# KiCad board mtk64_R_rev2.kicad_pcb (continued)
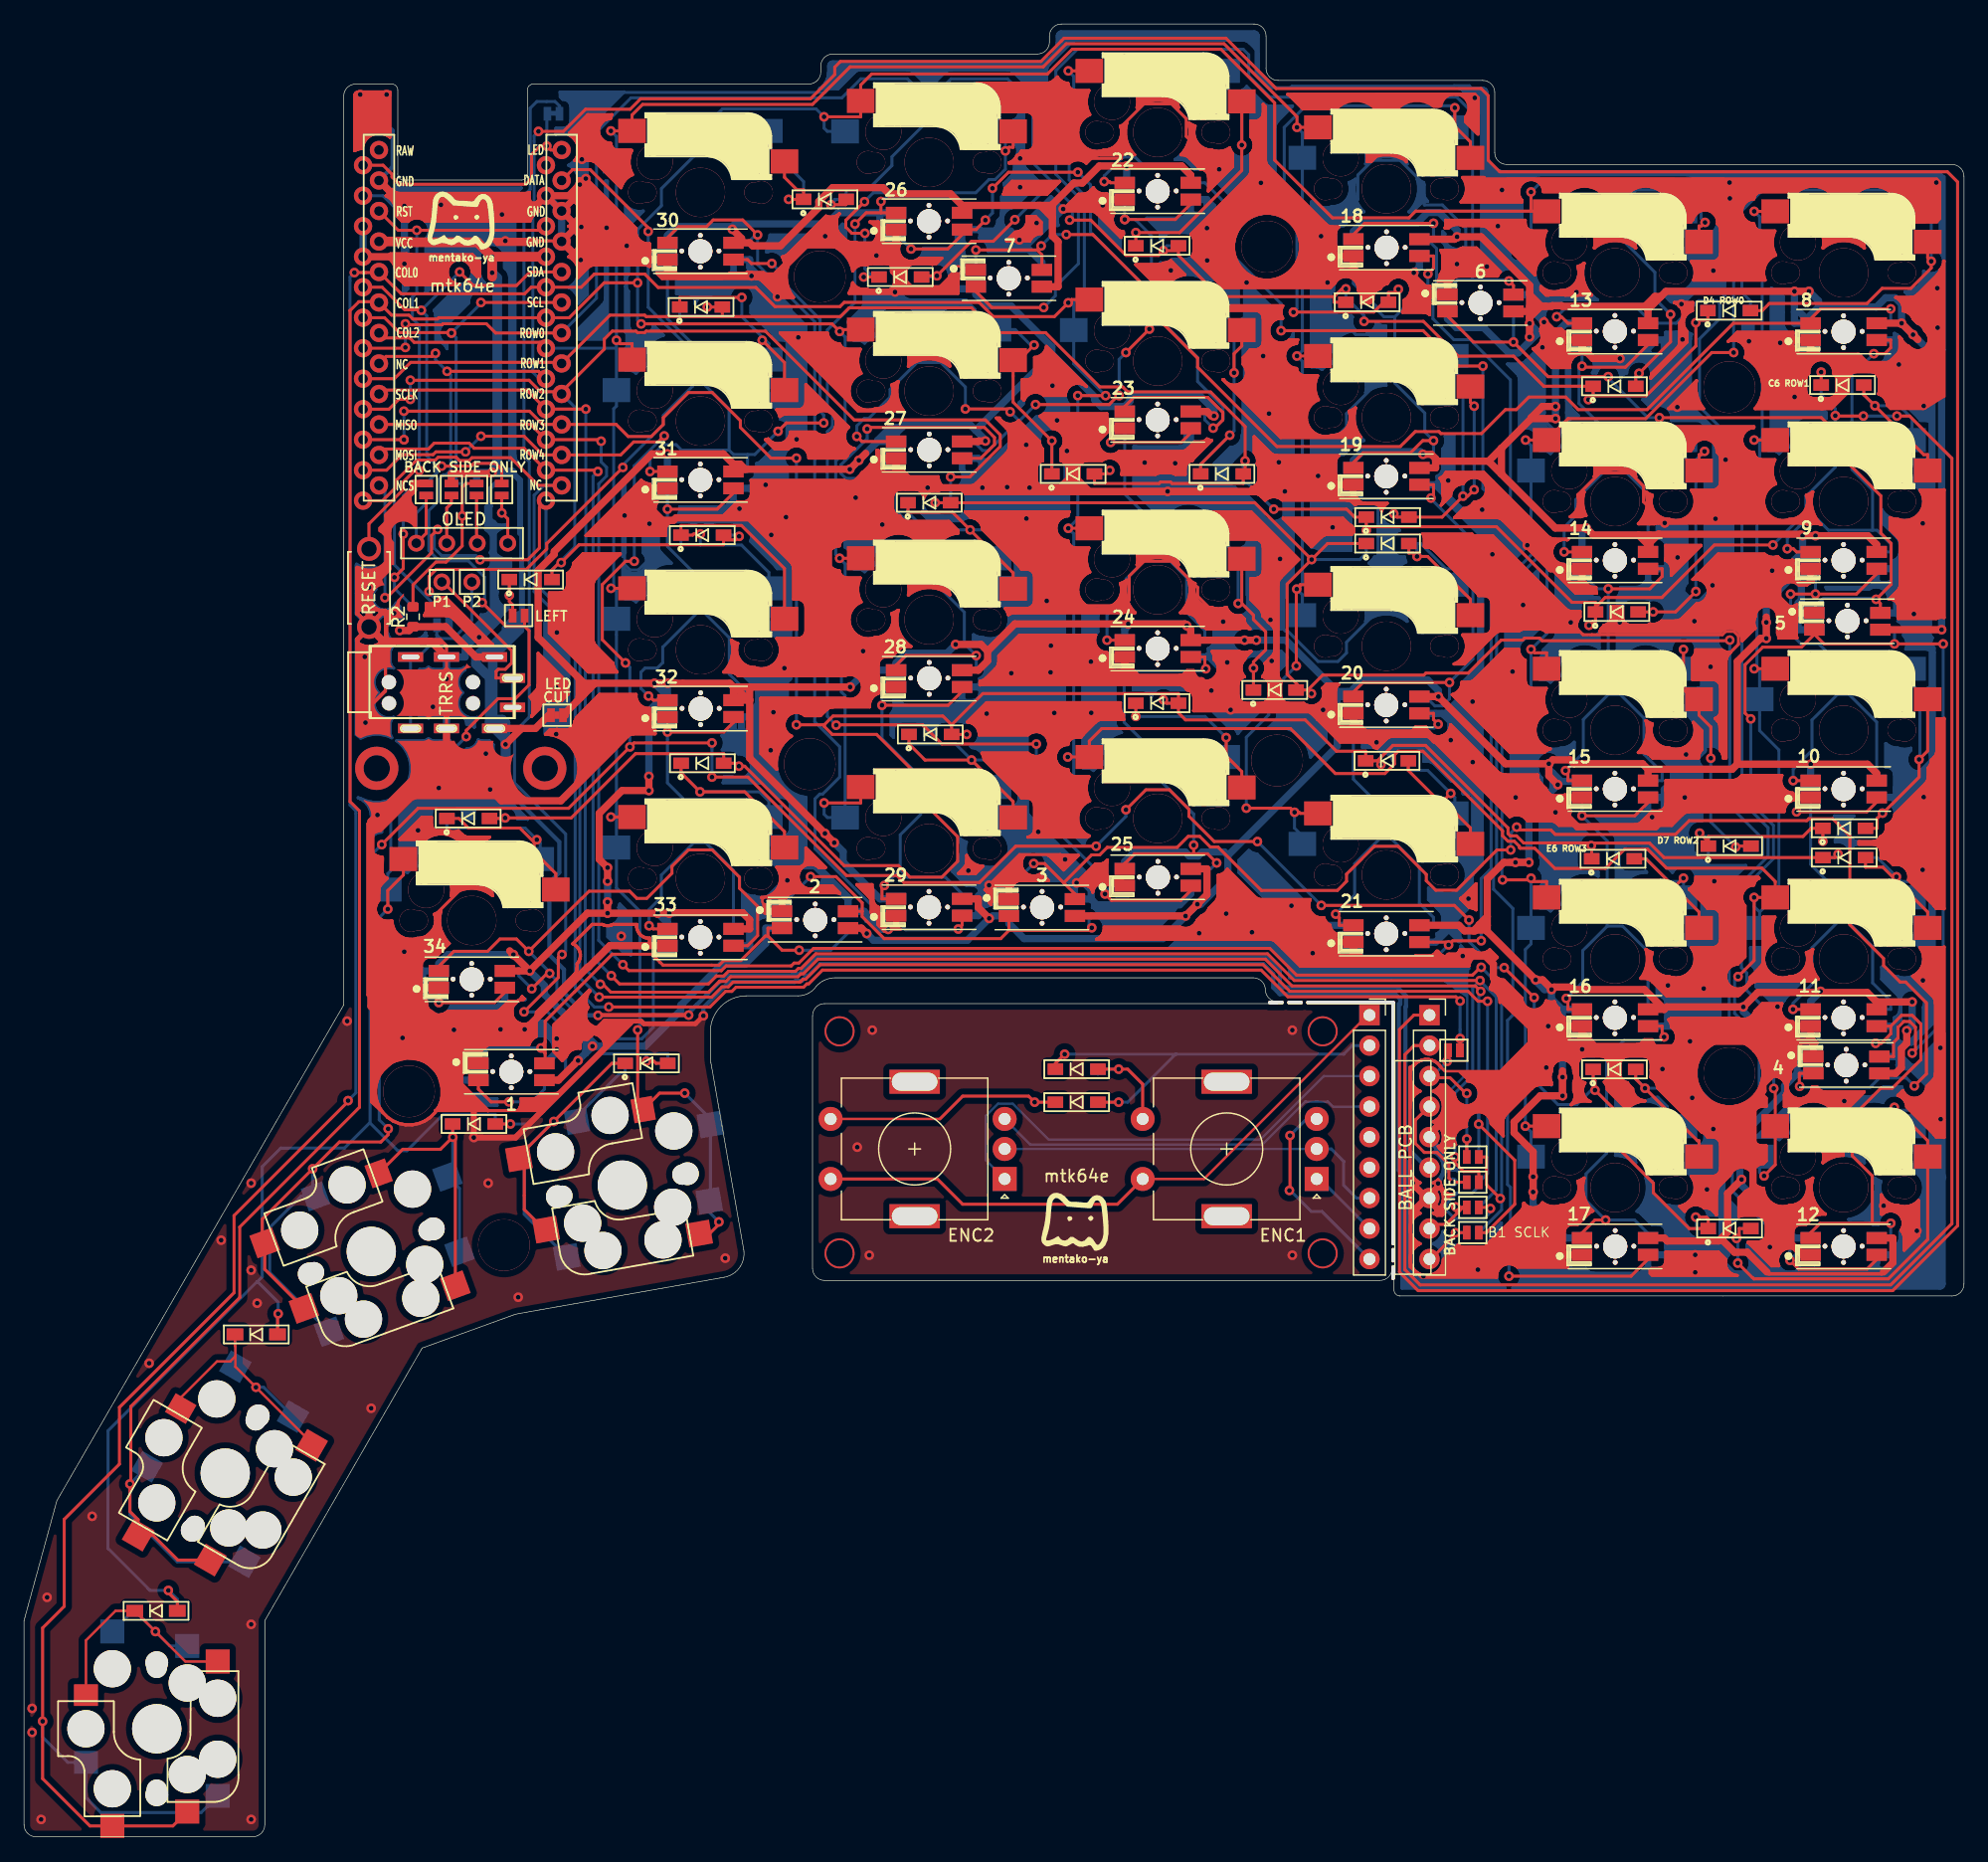
[diagram p0: board, top side]
## Routing (per net, layer and track width the routed paths; a pad name or vN(x,y) marks a point on that pad's centre or on a via; arc(x,y) is an arc through that point) (continued)
; 70.55,134.49 70.72,134.37 ; 70.47,78.22 70.37,78.34 ; 70.47,78.22 70.37,78.34 ; 70.47,78.22 70.54,78.09 ; 70.47,78.22 70.54,78.09 ; 70.37,78.34 70.35,78.36 ; 70.37,78.34 70.35,78.36 ; 86.16,90.61 86.05,90.44 ; 86.16,90.61 86.05,90.44 ; 71.05,133.87 70.97,134.06 ; 71.05,133.87 71.09,133.67 ; 71.05,133.87 71.09,133.67 ; 71.05,133.87 70.97,134.06 ; 70.97,134.06 70.86,134.23 ; 70.97,134.06 70.86,134.23 ; 81.21,97.78 81.23,97.95 ; 81.21,97.78 81.23,97.95 ; 46,136.14 45.76,136.21 ; 46,136.14 46.06,136.03 ; 46,136.14 45.76,136.21 ; 46,136.14 46.06,136.03 ; 50.27,138.21 50.05,137.99 ; 50.27,138.21 50.53,138.38 ; 50.27,138.21 50.53,138.38 ; 50.27,138.21 50.05,137.99 ; 50.05,137.99 49.88,137.73 ; 50.05,137.99 49.88,137.73 ; 159.17,77.54 159.15,77.57 ; 159.17,77.54 159.18,77.53 ; 159.17,77.54 159.18,77.53 ; 159.17,77.54 159.15,77.57 ; 159.15,77.57 159.12,77.59 ; 159.15,77.57 159.12,77.59 ; 90.71,134.42 90.79,134.23 ; 90.71,134.42 90.68,134.62 ; 90.71,134.42 90.79,134.23 ; 90.71,134.42 90.68,134.62 ; 90.79,134.23 90.91,134.06 ; 90.79,134.23 90.91,134.06 ; 135.36,92.82 135.67,92.7 ; 135.36,92.82 135.67,92.7 ; 101.06,101.7 100.86,101.74 ; 101.06,101.7 100.86,101.74 ; 129.18,62.98 129.22,63.18 ; 129.18,62.98 129.22,63.18 ; 129.22,63.18 129.22,63.38 ; 129.22,63.18 129.22,63.38 ; 131.31,100.43 131.39,100.61 ; 131.31,100.43 131.28,100.39 ; 131.31,100.43 131.28,100.39 ; 131.31,100.43 131.39,100.61 ; 131.39,100.61 131.47,100.69 ; 131.39,100.61 131.47,100.69 ; 36.99,83.26 37.03,83.26 ; 36.99,83.26 37.03,83.26 ; 36.99,83.26 36.88,83.28 ; 36.99,83.26 36.88,83.28 ; 37.03,83.26 37.07,83.26 ; 37.03,83.26 37.07,83.26 ; 144.05,117.38 143.85,117.34 ; 144.05,117.38 143.85,117.34 ; 144.05,117.38 144.13,117.38 ; 144.05,117.38 144.13,117.38 ; 143.85,117.34 143.66,117.26 ; 143.85,117.34 143.66,117.26 ; 123.48,88.45 123.43,88.44 ; 123.48,88.45 123.43,88.44 ; 139.04,54.83 138.92,55.02 ; 139.04,54.83 139.16,54.54 ; 139.04,54.83 138.92,55.02 ; 139.04,54.83 139.16,54.54 ; 32.35,64.88 31.8,64.88 ; 32.35,64.88 32.89,64.77 ; 32.35,64.88 31.8,64.88 ; 32.35,64.88 32.89,64.77 ; 31.8,64.88 31.26,64.77 ; 31.8,64.88 31.26,64.77 ; 85.93,89.84 85.93,90.05 ; 85.93,89.84 85.93,90.05 ; 155.96,52.59 156.13,52.59 ; 155.96,52.59 155.68,52.65 ; 155.96,52.59 155.68,52.65 ; 155.96,52.59 156.13,52.59 ; 156.13,52.59 156.23,52.55 ; 156.13,52.59 156.23,52.55 ; 96.22,95.99 96.19,95.99 ; 96.22,95.99 96.19,95.99 ; 96.22,95.99 96.3,95.98 ; 96.22,95.99 96.3,95.98 ; 96.19,95.99 96.15,95.99 ; 96.19,95.99 96.15,95.99 ; 73.47,113.29 73.58,113.28 ; 73.47,113.29 73.34,113.33 ; 73.47,113.29 73.58,113.28 ; 73.47,113.29 73.34,113.33 ; 39.04,99.31 38.15,99.31 ; 39.04,99.31 35.13,103.23 ; 39.04,99.31 38.15,99.31 ; 39.04,99.31 35.13,103.23 ; 38.15,99.31 38.03,99.3 ; 38.15,99.31 38.03,99.3 ; 128.32,50.38 128.32,49.38 ; 128.32,50.38 128.32,49.38 ; 128.32,50.38 128.33,50.5 ; 128.32,50.38 128.33,50.5 ; 128.32,49.38 128.33,49.25 ; 128.32,49.38 128.33,49.25 ; 63.23,118.47 63.1,118.4 ; 63.23,118.47 63.1,118.4 ; 63.23,118.47 63.25,118.48 ; 63.23,118.47 63.25,118.48 ; 63.1,118.4 63.04,118.36 ; 63.1,118.4 63.04,118.36 ; 99.7,140.39 100,140.45 ; 99.7,140.39 99.38,140.39 ; 99.7,140.39 99.38,140.39 ; 99.7,140.39 100,140.45 ; 100,140.45 100.29,140.57 ; 100,140.45 100.29,140.57 ; 128.98,102.06 128.94,102.07 ; 128.98,102.06 128.94,102.07 ; 120.18,59.16 120.11,59.16 ; 120.18,59.16 120.11,59.16 ; 120.18,59.16 120.16,59.26 ; 120.18,59.16 120.16,59.26 ; 120.11,59.16 119.91,59.12 ; 120.11,59.16 119.91,59.12 ; 76.17,113.28 76.17,113.17 ; 76.17,113.28 76.17,113.17 ; 61.6,78.24 61.46,78.24 ; 61.6,78.24 61.46,78.24 ; 139.01,127.6 139.01,127.12 ; 139.01,127.6 139.01,127.12 ; 139.01,127.6 139.02,127.73 ; 139.01,127.6 139.02,127.73 ; 139.01,127.12 138.99,127.12 ; 139.01,127.12 138.99,127.12 ; 87.95,112.81 88,112.7 ; 87.95,112.81 87.91,112.93 ; 87.95,112.81 87.91,112.93 ; 87.95,112.81 88,112.7 ; 88,112.7 88.08,112.6 ; 88,112.7 88.08,112.6 ; 70.05,113.74 70.21,113.86 ; 70.05,113.74 69.9,113.68 ; 70.05,113.74 69.9,113.68 ; 70.05,113.74 70.21,113.86 ; 70.21,113.86 70.36,114 ; 70.21,113.86 70.36,114 ; 112.73,90.67 112.68,90.69 ; 112.73,90.67 113.48,91.42 ; 112.73,90.67 113.48,91.42 ; 112.73,90.67 112.68,90.69 ; 139.85,58.69 139.78,58.71 ; 139.85,58.69 139.98,58.62 ; 139.85,58.69 139.78,58.71 ; 139.85,58.69 139.98,58.62 ; 139.78,58.71 136.09,62.39 ; 139.78,58.71 136.09,62.39 ; 129.81,65.6 133.34,65.6 ; 120.18,137.43 120.18,137.12 ; 120.18,137.43 120.18,137.12 ; 158.6,87.98 158.61,88 ; 158.6,87.98 158.61,88 ; 158.6,87.98 158.53,87.85 ; 158.6,87.98 158.53,87.85 ; 101.48,121.14 101.62,121.29 ; 101.48,121.14 101.62,121.29 ; 101.62,121.29 101.74,121.46 ; 101.62,121.29 101.74,121.46 ; 148.6,104.32 148.55,104.28 ; 148.6,104.32 148.55,104.28 ; 35.13,101.74 35.08,101.74 ; 35.13,101.74 35.08,101.74 ; 35.13,101.74 35.17,101.74 ; 35.13,101.74 35.17,101.74 ; 35.08,101.74 33.34,101.74 ; 35.08,101.74 33.34,101.74 ; 37.97,130.18 37.97,129.98 ; 37.97,130.18 37.97,129.98 ; 90.27,135.63 90.23,135.75 ; 90.27,135.63 90.23,135.75 ; 155.68,52.65 155.41,52.76 ; 155.68,52.65 155.41,52.76 ; 128.78,85.35 126.87,85.35 ; 44.47,92.23 44.59,92.22 ; 44.47,92.23 44.41,92.25 ; 44.47,92.23 44.59,92.22 ; 44.47,92.23 44.41,92.25 ; 44.59,92.22 45.23,92.22 ; 44.59,92.22 45.23,92.22 ; 115.64,51.33 115.54,51.07 ; 115.64,51.33 115.54,51.07 ; 115.64,51.33 115.8,51.55 ; 115.64,51.33 115.8,51.55 ; 115.54,51.07 115.49,50.81 ; 115.54,51.07 115.49,50.81 ; 129.94,86.45 129.94,86.43 ; 129.94,86.45 129.96,86.45 ; 129.94,86.45 129.94,86.43 ; 129.94,86.45 129.96,86.45 ; 129.94,86.43 129.68,86.43 ; 129.94,86.43 129.68,86.43 ; 29.82,80.45 29.83,80.32 ; 29.82,80.45 29.83,80.32 ; 29.82,80.45 29.82,81.61 ; 29.82,80.45 29.82,81.61 ; 29.83,80.32 29.87,80.2 ; 29.83,80.32 29.87,80.2 ; 158.28,111.38 158.21,111.69 ; 158.28,111.38 158.28,111.07 ; 158.28,111.38 158.28,111.07 ; 158.28,111.38 158.21,111.69 ; 158.21,111.69 158.09,111.98 ; 158.21,111.69 158.09,111.98 ; 133.21,136.37 133.05,135.98 ; 133.21,136.37 133.05,135.98 ; 79.44,130.39 79.46,130.39 ; 79.44,130.39 79.46,130.39 ; 144.79,62.03 144.87,61.85 ; 144.79,62.03 144.87,61.85 ; 127.89,86.6 128.09,86.64 ; 127.89,86.6 127.69,86.6 ; 127.89,86.6 128.09,86.64 ; 127.89,86.6 127.69,86.6 ; 128.09,86.64 128.28,86.72 ; 128.09,86.64 128.28,86.72 ; 70.35,78.36 69.39,79.31 ; 70.35,78.36 69.39,79.31 ; 83.8,132.94 81.87,132.94 ; 83.8,132.94 83.83,133.01 ; 83.8,132.94 83.83,133.01 ; 83.8,132.94 81.87,132.94 ; 81.87,132.94 82.6,133.66 ; 81.87,132.94 82.6,133.66 ; 141.99,47.13 142.13,46.98 ; 141.99,47.13 141.87,47.3 ; 141.99,47.13 141.87,47.3 ; 141.99,47.13 142.13,46.98 ; 86.35,146.29 86.52,146.18 ; 86.35,146.29 86.2,146.44 ; 86.35,146.29 86.52,146.18 ; 86.35,146.29 86.2,146.44 ; 61.9,116.4 62,116.44 ; 61.9,116.4 62,116.44 ; 143.45,53.77 143.59,53.83 ; 143.45,53.77 143.59,53.83 ; 123.55,138.07 141.66,138.07 ; 135.04,90.31 135.21,90.25 ; 135.04,90.31 135.21,90.25 ; 63.29,78.07 63.29,77.22 ; 63.29,78.07 63.29,77.22 ; 121.45,134.21 121.4,134.22 ; 121.45,134.21 121.4,134.22 ; 121.45,134.21 121.59,134.2 ; 121.45,134.21 121.59,134.2 ; 119.87,100.12 121.66,100.12 ; 119.87,100.12 119.99,99.93 ; 119.87,100.12 121.66,100.12 ; 119.87,100.12 119.99,99.93 ; 121.66,100.12 121.78,100.13 ; 121.66,100.12 121.78,100.13 ; 92.78,106.63 92.72,106.97 ; 92.78,106.63 92.78,106.21 ; 92.78,106.63 92.78,106.21 ; 92.78,106.63 92.72,106.97 ; 92.72,106.97 92.93,107.06 ; 92.72,106.97 92.93,107.06 ; 83.8,105.55 83.68,105.58 ; 83.8,105.55 83.68,105.58 ; 83.68,105.58 83.56,105.59 ; 83.68,105.58 83.56,105.59 ; 82.04,117.08 81.97,117.21 ; 82.04,117.08 82.08,116.93 ; 82.04,117.08 82.08,116.93 ; 82.04,117.08 81.97,117.21 ; 81.97,117.21 81.88,117.32 ; 81.97,117.21 81.88,117.32 ; 52.12,92.99 52.12,92.78 ; 52.12,92.99 52.12,92.78 ; 52.12,92.99 52.28,93.15 ; 52.12,92.99 52.28,93.15 ; 52.12,92.78 52.13,92.65 ; 52.12,92.78 52.13,92.65 ; 90.84,115.15 91.02,115.23 ; 90.84,115.15 90.64,115.12 ; 90.84,115.15 90.64,115.12 ; 90.84,115.15 91.02,115.23 ; 91.02,115.23 91.19,115.35 ; 91.02,115.23 91.19,115.35 ; 104.88,94.6 104.98,94.52 ; 104.88,94.6 104.98,94.52 ; 104.88,94.6 104.8,94.7 ; 104.88,94.6 104.8,94.7 ; 104.98,94.52 105.09,94.46 ; 104.98,94.52 105.09,94.46 ; 130.09,61.53 130.23,61.39 ; 130.09,61.53 129.98,61.7 ; 130.09,61.53 129.98,61.7 ; 130.09,61.53 130.23,61.39 ; 130.23,61.39 130.4,61.27 ; 130.23,61.39 130.4,61.27 ; 149.03,112.01 148.93,111.49 ; 149.03,112.01 148.93,111.49 ; 149.03,112.01 149.03,112.02 ; 149.03,112.01 149.03,112.02 ; 148.93,111.49 148.93,110.96 ; 148.93,111.49 148.93,110.96 ; 152.88,132.66 152.39,132.86 ; 152.88,132.66 152.39,132.86 ; 152.39,132.86 151.87,132.96 ; 152.39,132.86 151.87,132.96 ; 65.04,81.05 65.1,81.16 ; 65.04,81.05 65.1,81.16 ; 136.77,106.33 136.79,106.4 ; 136.77,106.33 136.79,106.4 ; 136.77,106.33 136.78,106.33 ; 136.77,106.33 136.78,106.33 ; 136.79,106.4 136.8,106.53 ; 136.79,106.4 136.8,106.53 ; 118.16,51.77 117.71,51.77 ; 118.16,51.77 117.71,51.77 ; 147.37,67.03 137.6,67.03 ; 147.37,67.03 147.38,67.24 ; 147.37,67.03 147.38,66.9 ; 147.37,67.03 147.38,66.9 ; 147.37,67.03 137.6,67.03 ; 147.37,67.03 147.38,67.24 ; 147.37,67.03 137.6,67.03 ; 147.37,67.03 137.6,67.03 ; 137.6,67.03 137.64,66.93 ; 137.6,67.03 137.57,67.11 ; 137.6,67.03 137.57,67.11 ; 137.6,67.03 137.64,66.93 ; 30.51,131.85 31.88,131.85 ; 30.51,131.85 31.88,131.85 ; 156.85,109.64 157.15,109.7 ; 156.85,109.64 157.15,109.7 ; 156.85,109.64 156.53,109.64 ; 156.85,109.64 156.53,109.64 ; 157.15,109.7 157.44,109.82 ; 157.15,109.7 157.44,109.82 ; 108.88,75.63 108.84,75.78 ; 108.88,75.63 108.84,75.78 ; 41,69.52 40.86,69.37 ; 41,69.52 40.86,69.37 ; 40.86,69.37 40.74,69.2 ; 40.86,69.37 40.74,69.2 ; 127.04,125.81 127.21,125.7 ; 127.04,125.81 126.9,125.96 ; 127.04,125.81 127.21,125.7 ; 127.04,125.81 126.9,125.96 ; 127.21,125.7 127.4,125.62 ; 127.21,125.7 127.4,125.62 ; 149.01,86.7 149.01,86.45 ; 149.01,86.7 149.01,86.45 ; 149.01,86.7 148.99,86.7 ; 149.01,86.7 148.99,86.7 ; 149.01,86.45 148.99,86.45 ; 149.01,86.45 148.99,86.45 ; 106.91,117.76 107.03,117.47 ; 106.91,117.76 107.03,117.47 ; 106.91,117.76 106.84,118.07 ; 106.91,117.76 106.84,118.07 ; 107.03,117.47 107.2,117.22 ; 107.03,117.47 107.2,117.22 ; 68.41,133.06 68.43,133.03 ; 68.41,133.06 68.43,133.03 ; 68.41,133.06 67.96,133.51 ; 68.41,133.06 67.96,133.51 ; 68.43,133.03 68.55,132.94 ; 68.43,133.03 68.55,132.94 ; 72.92,98.93 72.95,98.96 ; 72.92,98.93 72.95,98.96 ; 52.12,112.04 52.12,111.83 ; 52.12,112.04 52.28,112.2 ; 52.12,112.04 52.12,111.83 ; 52.12,112.04 52.28,112.2 ; 52.12,111.83 52.13,111.7 ; 52.12,111.83 52.13,111.7 ; 129.4,61.21 129.01,61.05 ; 129.4,61.21 129.01,61.05 ; 159.32,90.17 159.36,90.31 ; 159.32,90.17 159.36,90.31 ; 159.36,90.31 159.37,90.42 ; 159.36,90.31 159.37,90.42 ; 110.89,93.7 110.91,93.7 ; 110.89,93.7 110.89,93.72 ; 110.89,93.7 110.91,93.7 ; 110.89,93.7 110.89,93.72 ; 110.91,93.7 110.91,93.45 ; 110.91,93.7 110.91,93.45 ; 98.67,137.09 98.69,137.15 ; 98.67,137.09 98.69,137.15 ; 98.67,137.09 100.7,139.12 ; 98.67,137.09 100.7,139.12 ; 98.69,137.15 98.7,137.28 ; 98.69,137.15 98.7,137.28 ; 146.99,52.55 147.09,52.59 ; 146.99,52.55 146.69,52.49 ; 146.99,52.55 146.69,52.49 ; 146.99,52.55 147.09,52.59 ; 147.09,52.59 147.26,52.59 ; 147.09,52.59 147.26,52.59 ; 134.94,109.95 135.14,110.44 ; 134.94,109.95 134.65,109.51 ; 134.94,109.95 134.65,109.51 ; 134.94,109.95 135.14,110.44 ; 135.14,110.44 135.25,110.96 ; 135.14,110.44 135.25,110.96 ; 143.76,55.56 143.91,55.41 ; 143.76,55.56 143.91,55.41 ; 43.29,136.71 43.47,136.89 ; 43.29,136.71 43.47,136.89 ; 43.29,136.71 43.31,136.7 ; 43.29,136.71 43.31,136.7 ; 43.47,136.89 43.49,136.87 ; 43.47,136.89 43.49,136.87 ; 97.53,103.44 97.64,103.17 ; 97.53,103.44 97.64,103.17 ; 97.64,103.17 97.81,102.93 ; 97.64,103.17 97.81,102.93 ; 71.81,98.31 71.69,98.3 ; 71.81,98.31 71.69,98.3 ; 144.13,101.26 144.13,101.06 ; 144.13,101.26 144.13,101.06 ; 143.1,124.44 142.93,124.55 ; 143.1,124.44 143.25,124.29 ; 143.1,124.44 143.25,124.29 ; 143.1,124.44 142.93,124.55 ; 142.93,124.55 142.75,124.63 ; 142.93,124.55 142.75,124.63 ; 53.12,109.67 53.31,109.59 ; 53.12,109.67 53.31,109.59 ; 53.12,109.67 52.95,109.78 ; 53.12,109.67 52.95,109.78 ; 53.31,109.59 53.51,109.55 ; 53.31,109.59 53.51,109.55 ; 79.61,145.92 79.84,145.57 ; 79.61,145.92 79.84,145.57 ; 136.75,47.73 136.79,47.85 ; 136.75,47.73 136.79,47.85 ; 80.09,144.35 80.09,144.77 ; 80.09,144.35 80.02,144 ; 80.09,144.35 80.02,144 ; 80.09,144.35 80.09,144.77 ; 80.09,144.77 80,145.18 ; 80.09,144.77 80,145.18 ; 147.89,104.28 148.55,104.28 ; 147.89,104.28 148.55,104.28 ; 148.73,105.75 148.73,105.77 ; 148.73,105.75 148.73,105.77 ; 148.73,105.75 147.53,105.75 ; 148.73,105.75 147.53,105.75 ; 148.73,105.77 148.99,105.77 ; 148.73,105.77 148.99,105.77 ; 62.71,88.92 61.4,90.24 ; 62.71,88.92 62.68,89.08 ; 62.71,88.92 61.4,90.24 ; 62.71,88.92 62.68,89.08 ; 121.65,49.13 121.77,49.16 ; 121.65,49.13 121.77,49.16 ; 83.56,134.96 84.28,134.96 ; 83.56,134.96 84.28,134.96 ; 83.56,134.96 83.59,134.8 ; 83.56,134.96 83.59,134.8 ; 92.02,97.14 92.08,97.04 ; 92.02,97.14 92.08,97.04 ; 70.49,99.79 70.79,99.85 ; 70.49,99.79 70.79,99.85 ; 70.79,99.85 70.89,99.89 ; 70.79,99.85 70.89,99.89 ; 147.38,49.02 147.24,49.05 ; 147.38,49.02 147.38,49.1 ; 147.38,49.02 147.24,49.05 ; 147.38,49.02 147.38,49.1 ; 147.24,49.05 147.03,49.05 ; 147.24,49.05 147.03,49.05 ; 109.91,92.44 110.47,92.44 ; 109.91,92.44 110.47,92.44 ; 62.34,116.16 62.52,116.08 ; 62.34,116.16 62.52,116.08 ; 106.77,94.3 106.96,94.23 ; 106.77,94.3 106.96,94.23 ; 106.77,94.3 106.61,94.41 ; 106.77,94.3 106.61,94.41 ; 106.96,94.23 107.16,94.19 ; 106.96,94.23 107.16,94.19 ; 66.84,93.87 66.36,93.39 ; 66.84,93.87 66.36,93.39 ; 66.36,93.39 65.06,93.39 ; 66.36,93.39 65.06,93.39 ; 128.66,137.01 128.47,136.83 ; 128.66,137.01 128.47,136.83 ; 128.47,136.83 128.46,136.85 ; 128.47,136.83 128.46,136.85 ; 103.18,101.91 103.14,102.05 ; 103.18,101.91 103.19,101.8 ; 103.18,101.91 103.14,102.05 ; 103.18,101.91 103.19,101.8 ; 103.14,102.05 103.07,102.18 ; 103.14,102.05 103.07,102.18 ; 145.01,72.66 144.94,72.97 ; 145.01,72.66 144.94,72.97 ; 95.95,113.49 95.82,113.55 ; 95.95,113.49 95.82,113.55 ; 143.11,78.35 143.11,78.14 ; 143.11,78.35 143.11,78.14 ; 143.11,78.14 143.15,77.94 ; 143.11,78.14 143.15,77.94 ; 54.17,129.94 54.29,129.88 ; 54.17,129.94 54.29,129.88 ; 54.17,129.94 54.07,130.03 ; 54.17,129.94 54.07,130.03 ; 54.29,129.88 54.42,129.84 ; 54.29,129.88 54.42,129.84 ; 77.7,112.36 77.86,112.47 ; 77.7,112.36 77.51,112.28 ; 77.7,112.36 77.51,112.28 ; 77.7,112.36 77.86,112.47 ; 77.86,112.47 77.91,112.52 ; 77.86,112.47 77.91,112.52 ; 104.08,124.65 104.25,124.54 ; 104.08,124.65 103.93,124.8 ; 104.08,124.65 103.93,124.8 ; 104.08,124.65 104.25,124.54 ; 104.25,124.54 104.44,124.46 ; 104.25,124.54 104.44,124.46 ; 51.34,132.92 51.2,133.07 ; 51.34,132.92 51.2,133.07 ; 50.63,140.46 50.5,140.14 ; 50.63,140.46 50.5,140.14 ; 49.56,91.27 49.49,91.09 ; 49.56,91.27 49.68,91.44 ; 49.56,91.27 49.68,91.44 ; 49.56,91.27 49.49,91.09 ; 49.49,91.09 49.45,90.89 ; 49.49,91.09 49.45,90.89 ; 88.76,105.4 88.6,105.79 ; 88.76,105.4 88.6,105.79 ; 155.24,119.24 155.24,119.3 ; 155.24,119.24 155.24,119.3 ; 155.24,119.24 155.53,118.96 ; 155.24,119.3 155.21,119.5 ; 155.24,119.3 155.21,119.5 ; 93.68,144.56 93.19,144.36 ; 93.68,144.56 93.19,144.36 ; 143.1,51.77 142.98,51.73 ; 143.1,51.77 143.22,51.78 ; 143.1,51.77 142.98,51.73 ; 143.1,51.77 143.22,51.78 ; 93.76,148.14 95.16,148.14 ; 93.76,148.14 95.16,148.14 ; 93.76,148.14 93.81,148.07 ; 93.76,148.14 93.81,148.07 ; 95.16,148.14 95.11,148.07 ; 95.16,148.14 95.11,148.07 ; 77.1,129.99 77.87,130.76 ; 77.1,129.99 77.87,130.76 ; 77.1,129.99 77.1,129.92 ; 77.1,129.99 77.1,129.92 ; 77.87,130.76 77.98,130.65 ; 77.87,130.76 77.98,130.65 ; 118.26,47.99 118.26,48.08 ; 118.26,47.99 118.2,47.73 ; 118.26,47.99 118.2,47.73 ; 118.26,47.99 118.26,48.08 ; 118.26,48.08 119.14,48.96 ; 118.26,48.08 119.14,48.96 ; 135.18,64.99 135.06,65.03 ; 135.18,64.99 135.06,65.03 ; 135.06,65.03 134.94,65.04 ; 135.06,65.03 134.94,65.04 ; 128.78,122.4 128.78,122.39 ; 128.78,122.4 128.78,122.6 ; 128.78,122.4 128.78,122.6 ; 128.78,122.4 128.78,122.39 ; 41.17,67.8 41,67.91 ; 41.17,67.8 41,67.91 ; 29.98,141.85 30.24,141.74 ; 29.98,141.85 30.24,141.74 ; 141.35,112.81 141.34,112.68 ; 141.35,112.81 141.34,112.68 ; 60.43,97.45 60.71,97.39 ; 60.43,97.45 60.71,97.39 ; 159.21,63.26 159.21,63.26 ; 159.21,63.26 159.14,63.12 ; 159.21,63.26 159.14,63.12 ; 159.21,63.26 159.21,63.26 ; 114.21,129.9 114.02,129.82 ; 114.21,129.9 114.41,129.94 ; 114.21,129.9 114.02,129.82 ; 114.21,129.9 114.41,129.94 ; 114.02,129.82 113.85,129.71 ; 114.02,129.82 113.85,129.71 ; 84.09,83.55 84.15,83.66 ; 84.09,83.55 84.15,83.66 ; 84.15,83.66 84.19,83.78 ; 84.15,83.66 84.19,83.78 ; 159.04,70.01 159.01,70.03 ; 159.04,70.01 159.14,69.89 ; 159.04,70.01 159.01,70.03 ; 159.04,70.01 159.14,69.89 ; 159.01,70.03 157.36,71.69 ; 159.01,70.03 157.36,71.69 ; 156.27,108.03 156.2,108.16 ; 156.27,108.03 156.31,107.89 ; 156.27,108.03 156.31,107.89 ; 156.27,108.03 156.2,108.16 ; 156.2,108.16 156.1,108.28 ; 156.2,108.16 156.1,108.28 ; 72.25,108.51 71.86,108.35 ; 72.25,108.51 71.86,108.35 ; 96.84,97.04 96.89,97.14 ; 96.84,97.04 96.75,96.93 ; 96.84,97.04 96.89,97.14 ; 96.84,97.04 96.75,96.93 ; 96.89,97.14 97.44,97.14 ; 96.89,97.14 97.44,97.14 ; 136.63,90.75 136.91,90.69 ; 136.63,90.75 136.36,90.86 ; 136.63,90.75 136.91,90.69 ; 136.63,90.75 136.36,90.86 ; 136.91,90.69 137.08,90.69 ; 136.91,90.69 137.08,90.69 ; 61.4,94.84 68.38,94.84 ; 61.4,94.84 68.38,94.84 ; 61.4,94.84 61.4,94.72 ; 61.4,94.84 61.4,94.72 ; 68.38,94.84 68.53,94.78 ; 68.38,94.84 68.53,94.78 ; 45.79,106.03 45.79,106.1 ; 45.79,106.03 45.75,105.83 ; 45.79,106.03 45.79,106.1 ; 45.79,106.03 45.75,105.83 ; 45.79,106.1 46.56,106.87 ; 45.79,106.1 46.56,106.87 ; 141.81,60.82 142.36,60.82 ; 141.81,60.82 142.36,60.82 ; 142.36,60.82 142.9,60.92 ; 142.36,60.82 142.9,60.92 ; 102.96,143.03 103.06,143.1 ; 102.96,143.03 102.85,142.97 ; 102.96,143.03 102.85,142.97 ; 102.96,143.03 103.06,143.1 ; 103.06,143.1 103.14,143.2 ; 103.06,143.1 103.14,143.2 ; 76.29,107.82 76.06,107.47 ; 76.29,107.82 76.06,107.47 ; 76.29,107.82 76.59,108.11 ; 76.29,107.82 76.59,108.11 ; 76.06,107.47 75.9,107.08 ; 76.06,107.47 75.9,107.08 ; 62.87,78.23 62.31,78.23 ; 62.87,78.23 62.31,78.23 ; 62.31,78.23 62.18,78.22 ; 62.31,78.23 62.18,78.22 ; 81.36,118.04 81.5,117.9 ; 81.36,118.04 81.27,118.18 ; 81.36,118.04 81.5,117.9 ; 81.36,118.04 81.27,118.18 ; 81.5,117.9 81.67,117.78 ; 81.5,117.9 81.67,117.78 ; 87.49,91.57 87.61,91.58 ; 87.49,91.57 87.61,91.58 ; 48.24,141.29 48.41,141.18 ; 48.24,141.29 48.09,141.44 ; 48.24,141.29 48.09,141.44 ; 48.24,141.29 48.41,141.18 ; 48.41,141.18 48.6,141.1 ; 48.41,141.18 48.6,141.1 ; 151.21,58.95 151.21,59.37 ; 151.21,58.95 151.21,59.37 ; 67.41,94.12 67.44,94.12 ; 67.41,94.12 67.44,94.12 ; 38.42,65.86 38.32,65.77 ; 38.42,65.86 38.54,65.92 ; 38.42,65.86 38.54,65.92 ; 38.42,65.86 38.32,65.77 ; 38.32,65.77 38.23,65.66 ; 38.32,65.77 38.23,65.66 ; 135.74,72.42 135.63,72.69 ; 135.74,72.42 135.63,72.69 ; 97.52,114.89 97.5,114.87 ; 97.52,114.89 98.94,116.31 ; 97.52,114.89 97.5,114.87 ; 97.52,114.89 98.94,116.31 ; 97.5,114.87 97.47,114.84 ; 97.5,114.87 97.47,114.84 ; 104.36,74.51 104.34,74.54 ; 104.36,74.51 104.34,74.54 ; 98.58,116.42 98.77,116.34 ; 98.58,116.42 98.56,116.44 ; 98.58,116.42 98.77,116.34 ; 98.58,116.42 98.56,116.44 ; 98.77,116.34 98.94,116.31 ; 98.77,116.34 98.94,116.31 ; 127.66,106.22 127.52,106.37 ; 127.66,106.22 127.52,106.37 ; 130.4,61.27 130.48,61.24 ; 130.4,61.27 130.48,61.24 ; 126.08,131.03 125.96,130.74 ; 126.08,131.03 126.25,131.29 ; 126.08,131.03 125.96,130.74 ; 126.08,131.03 126.25,131.29 ; 125.96,130.74 125.9,130.43 ; 125.96,130.74 125.9,130.43 ; 73.34,113.33 73.22,113.39 ; 73.34,113.33 73.22,113.39 ; 97.47,133 97.46,133.13 ; 97.47,133 97.46,133.13 ; 97.46,133.13 97.42,133.24 ; 97.46,133.13 97.42,133.24 ; 110.16,117.28 110.33,117.52 ; 110.16,117.28 110.33,117.52 ; 110.16,117.28 109.96,117.07 ; 110.16,117.28 109.96,117.07 ; 151.74,60.46 151.69,60.4 ; 151.74,60.46 151.78,60.51 ; 151.74,60.46 151.78,60.51 ; 151.74,60.46 151.69,60.4 ; 151.69,60.4 151.64,60.31 ; 151.69,60.4 151.64,60.31 ; 140.1,104.39 